# Altium PCB Freezer_Power.PcbDoc (part 2 of 3) (continued)
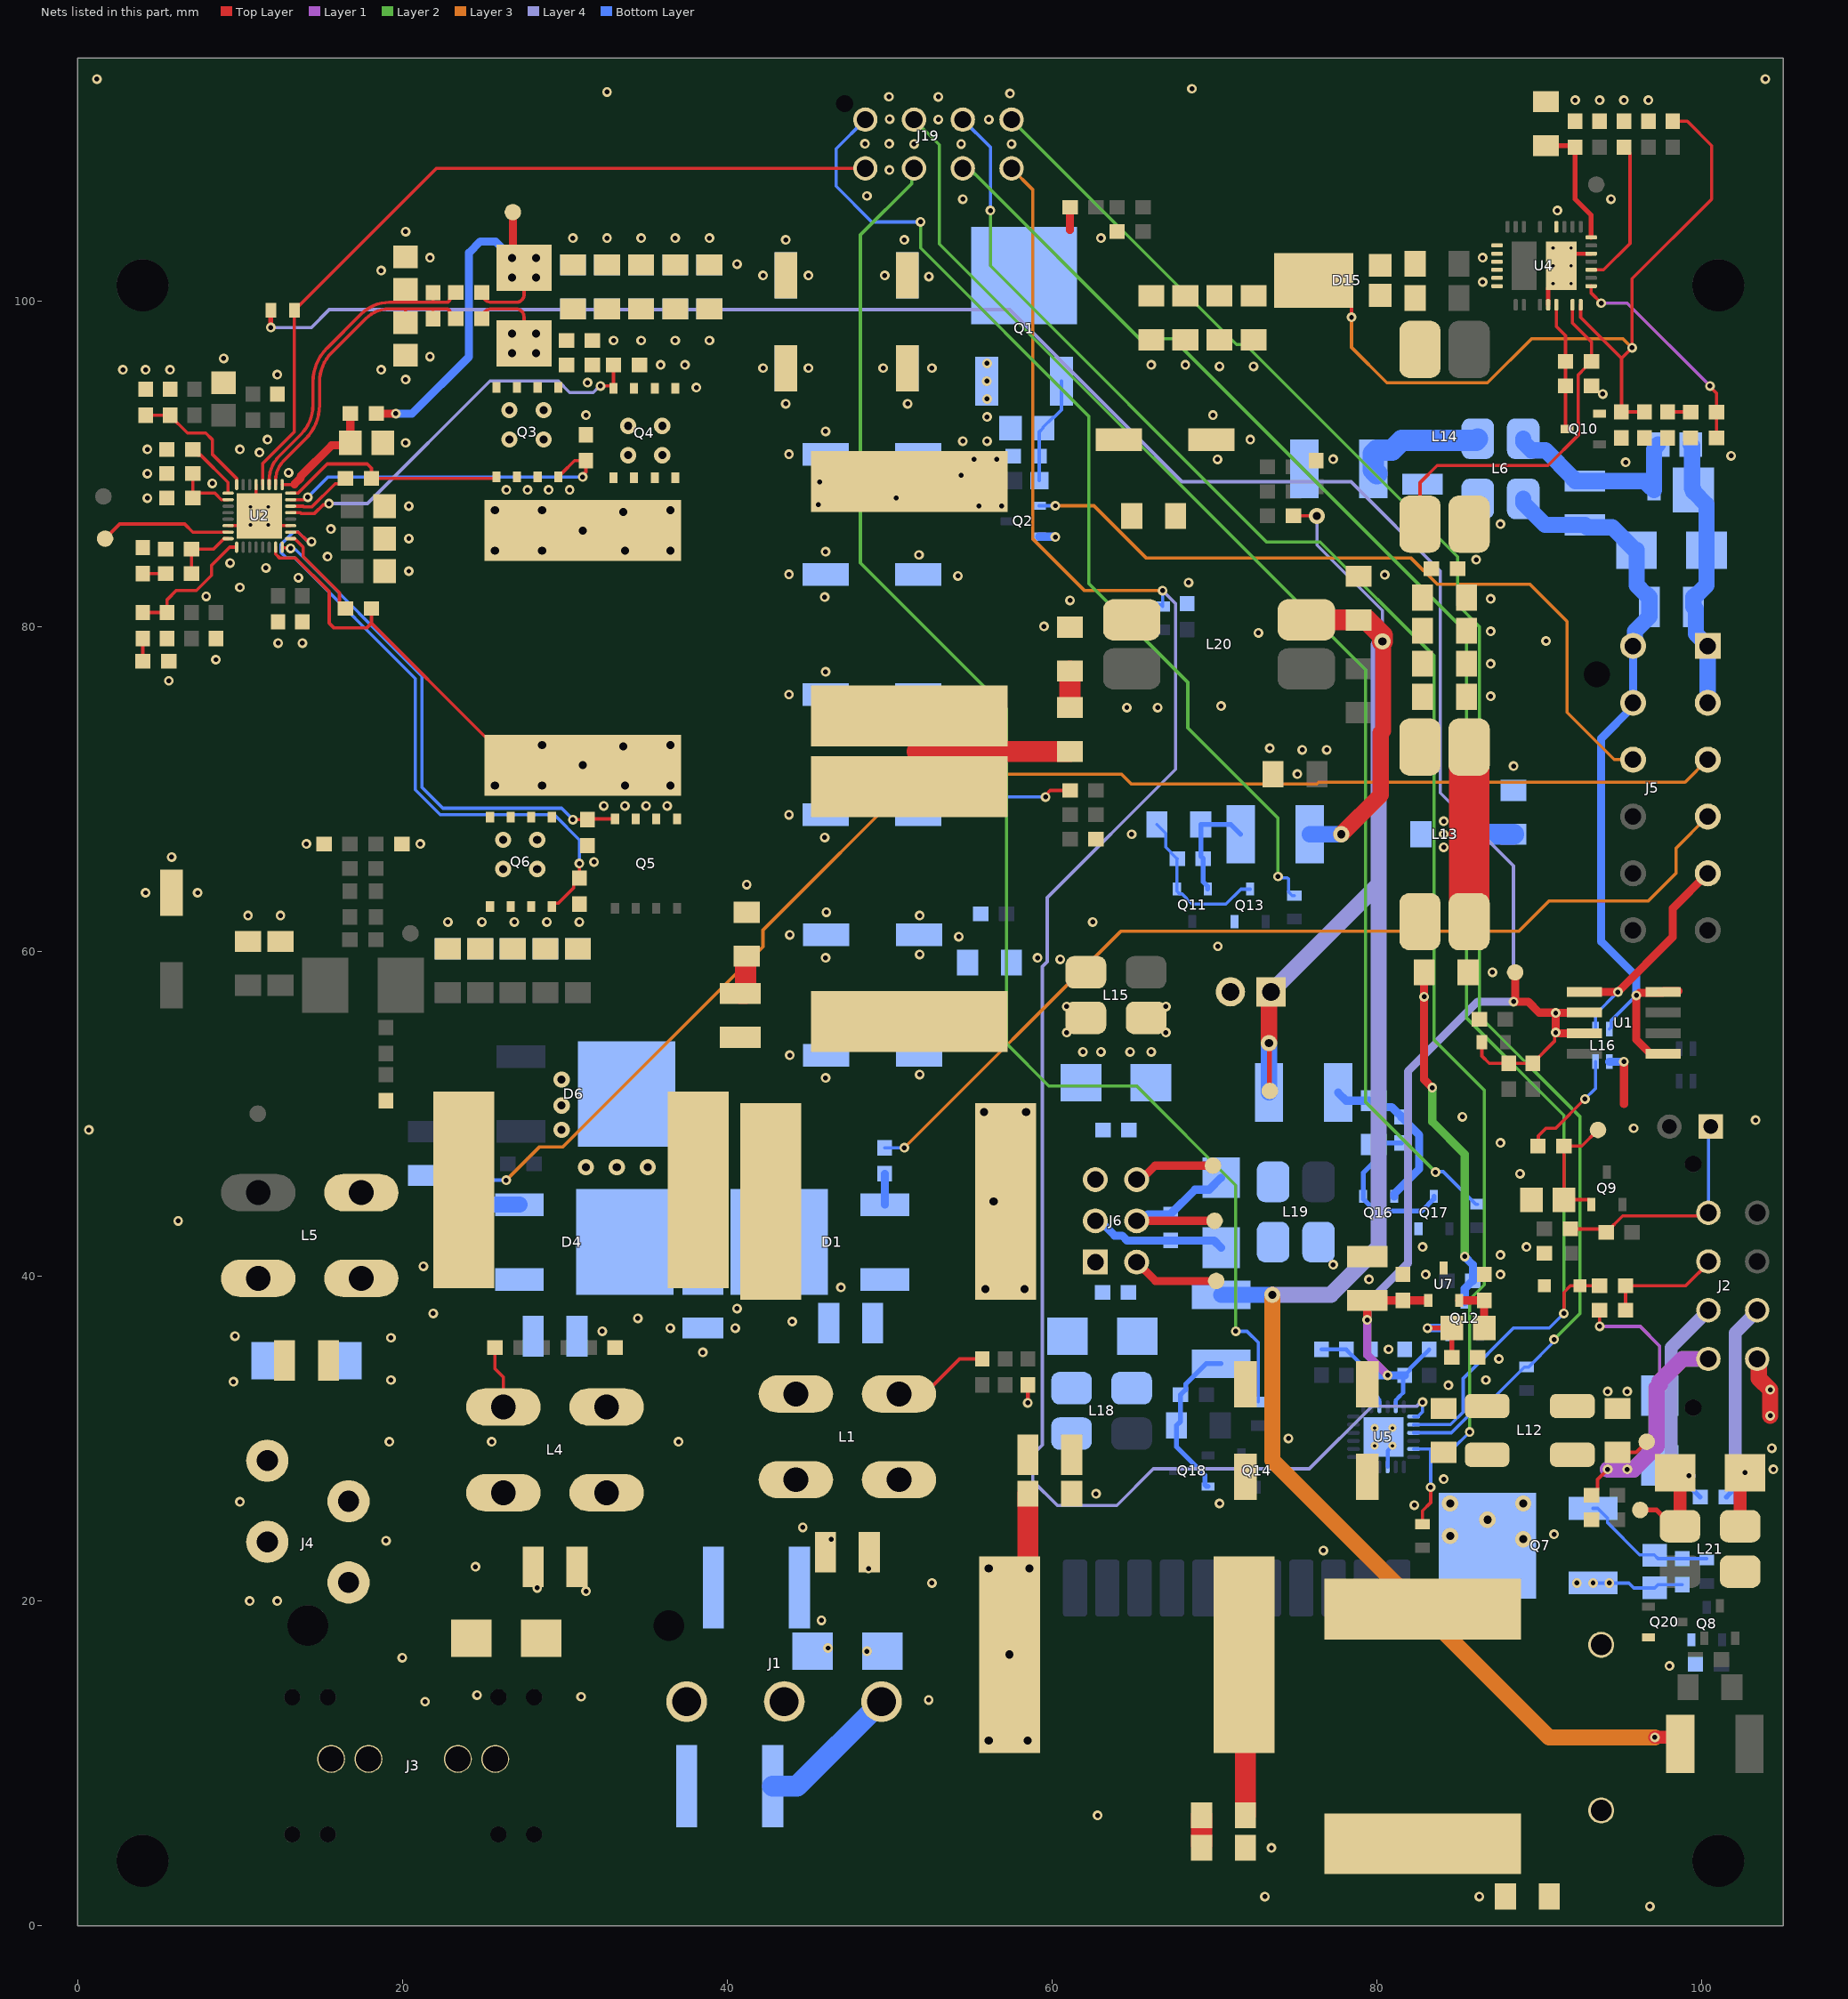
[diagram p6: the nets of this part, all layers, seen from the top]
## Part data (continued)
U5: library part NS00947, "IC XPNDR 400KHZ I2C 24TQFN", Supplier Part Number 1=PI4IOE5V6416ZDEXDICT-ND, ComponentLink1Description=Datasheet, ComponentLink1URL=H:\Doc\Diodes\PI4IOE5V6416.pdf, Part Number=NS00947, Supplier 1=Digi-Key, Type=IC
U7: library part NS00929, "IC REG LINEAR 3.3V 100MA SOT23", Supplier Part Number 1=TS3480CX33RFGCT-ND, ComponentLink1Description=Datasheet, ComponentLink1URL=H:\Doc\TaiwanSemi\TS3480.pdf, Part Number=NS00929, Supplier 1=Digi-Key, Type=IC

## Free pads (board coordinates)
  round 3.2 hole 3.2: 1(4,4) 1(4,101) 1(101,4) 1(101,101)

## Via types
v1: diameter 0.6, hole 0.3, Top Layer to Bottom Layer, tented both sides, 355 vias
v2: diameter 1, hole 0.5, Top Layer to Bottom Layer, tented both sides, 70 vias
v3: diameter 0.5, hole 0.2, Top Layer to Bottom Layer, tented both sides, 20 vias
v4: diameter 0.6, hole 0.3, Top Layer to Bottom Layer, 19 vias
v5: diameter 1, hole 0.5, Top Layer to Bottom Layer, 5 vias

## Nets (pads, with @x,y where several pads share a name; then routed paths per layer and width w, separated by ;. In a path a pad name is that pad's centre, name@x,y a point inside that pad or via, vN(x,y) a via of type N, cw(c..) or ccw(c..) an arc to the next point about the centre after c; other vN are vias at no path point)
12V_FAN+: C132.2 D27.2 J2.3 L21.2 TP10.1 | length 19.5
  Top Layer w0.3: TP10.1@96.2,25.6 97.209,25.6 98.209,24.6 L21.2@98.648,24.6
  Top Layer w0.8: D27.2@98.35,27.9 98.648,27.602 L21.2@98.648,24.6
  Layer 4 w0.8: v4(99.2,27.7) 98.1,28.8 98.1,35.6 J2.3@100.4,37.9
  Bottom Layer w0.3: v4(99.2,27.7) 99.257,27.643 99.257,27.018 99.875,26.4 C132.2@99.9,26.4
12V_FAN-: C132.1 D27.1 J2.4 L21.3 | length 16.2
  Top Layer w0.8: L21.3@102.352,24.6 102.352,27.602 v4(102.65,27.9)
  Layer 4 w0.8: v4(102.65,27.9) 102.05,28.5 102.05,36.492 103.4,37.842 J2.4@103.4,37.9
  Bottom Layer w0.3: C132.1@101.5,26.4 101.525,26.4 102.593,27.468 102.593,27.843 v4(102.65,27.9)
+3.3V: C113.1 C114.1 C120.1 C121.2 R8.1 R10.1 R11.1 R51.1 R78.1 R79.1 R97.1 TP4.1 U1.2 U1.3 U5.21 U5.23 U7.1 | length 170.6
  Top Layer w0.2: R8.1@86.45,54.4 86.45,53.55 86.9,53.1 R11.1@88.1,53.1 R10.1@89.6,53.1 89.6,53.125 90.923,54.448 90.923,54.923 v1(91,55)
  Top Layer w0.3: v4(11.9,98.4) 11.903,98.403 11.903,99.453 R51.1@11.906,99.456
  Top Layer w0.5: C121.2@79.393,38.507 C121.2@79.4,38.5 ; v1(79.4,37.3) C121.2@79.4,38.5 ; U7.1@83.15,38.5 C121.2@79.4,38.5 ; TP4.1@88.5,58.7 88.5,57.027 88.4,56.927 v1(88.4,56.9) 89.3,56.9 89.981,56.219 90.981,56.219 v1(91,56.2) ; U1.3@92.762,54.952 91.075,54.952 91.027,55 v1(91,55) v1(91,56.2) ; U1.2@92.762,56.222 92.74,56.2 v1(91,56.2)
  Layer 1 w0.5: v1(79.4,37.3) 79.4,35.146 v1(80.658,33.888)
  Layer 4 w0.2: v4(11.9,98.4) 14.4,98.4 15.5,99.5 57.4,99.5 68,88.9 78.4,88.9 83.9,83.4 83.9,69.754 88.4,65.254 v1(88.4,56.9)
  Layer 4 w0.5: v1(79.4,37.3) 79.4,38.3 81.9,40.8 81.9,52.6 86.2,56.9 v1(88.4,56.9)
  Bottom Layer w0.25: R97.1@76.588,35.492 76.592,35.488 R79.1@78.108,35.488 78.108,35.463 78.433,35.138 78.458,35.138 79.283,34.313 79.283,34.213 C114.1@79.608,33.888 79.608,32.969 80.065,32.512 80.065,32.464 80.15,32.379 U5.21@80.15,31.95 ; U5.23@81.15,31.95 81.15,32.356 81.287,32.492 81.287,32.498 81.608,32.819 81.608,33.788 C113.1@81.708,33.888 82.033,34.213 82.033,34.313 82.858,35.138 82.883,35.138 83.208,35.463 R78.1@83.208,35.488
  Bottom Layer w0.5: C114.1@79.608,33.888 v1(80.658,33.888) C113.1@81.708,33.888
+10-25V: C3.1 C4.1 C5.1 C6.1 C9.2 C15.1 C23.1 C26.2 C83.2 C98.2 F2.2 L3.2 L7.1 L10.1 L13.3 Q12.3 R1.2 R12.2 R14.1 | length 42.2
  Top Layer w0.2: v1(59.6,69.5) 59.6,69.608 59.766,69.774 59.766,69.783 59.883,69.9 R1.2@61.1,69.9
  Top Layer w0.5: C98.2@82.9,58.696 82.9,52.1 v1(83.4,51.6)
  Top Layer w1.3: v2(57.375,16.7) L10.1@58.5,15.575 ; L10.1@58.5,17.825 C83.2@58.5,26.6
  Layer 2 w0.5: v1(83.4,51.6) 83.4,49.5 85.4,47.5 v1(85.4,41.2)
  Bottom Layer w0.2: C3.1@51.75,68.4 52.475,68.4 53.575,69.5 v1(59.6,69.5)
  Bottom Layer w0.5: Q12.3@85.4,38.4 85.4,39.225 85.875,39.7 R14.1@85.9,39.7 85.9,40.7 v1(85.4,41.2)
  other v1: 51.85,52.4 82.9,57.2 51.85,59.8 54.25,60.9 51.85,62.2 54.2,83.1 51.8,84.4
  other v2: 56.1,11.4 58.5,11.4 56.1,22 58.6,22 55.9,39.2 58.3,39.2 56.4,44.6 55.8,50.1 58.4,50.1
+10-25V_C_F: C88.2 F1.1 Q7.3 R39.2 | length 5.7
  Bottom Layer w0.2: v1(93.3,21.1) 95.5,21.1 95.8,20.8 C88.2@97.1,20.8 97.3,21 R39.2@98.8,21
  other v1: 92.3,21.1 94.3,21.1
+10-25V_OR: C7.2 D1.2 D4.2 D6.2 L2.1 | length 5.1
  Top Layer w0.2: L2.1@22,49.671 22,48.9 23.775,47.125 L2.1@23.775,45.3
  other v2: 31.3,46.7 33.2,46.7 35.1,46.7 29.8,49 29.8,50.5 29.8,52.1
+10-25VOUT: C20.2 D8.2 D20.2 J5.1 J5.2 R5.2 | length 17.1
  Bottom Layer w1: R5.2@99.3,91.2 99.39,91.11 99.39,88.49 D20.2@99.48,88.4 99.48,88.29 100.279,87.491 D8.2@100.279,84.7 100.279,82.538 99.693,81.952 99.621,81.952 99.471,81.802 C20.2@99.471,81.202 99.621,81.052 99.621,79.533 J5.1@100.358,78.795 J5.2@100.358,75.295
+12V: C128.2 F3.2 F4.2 F5.2 F6.2 J18.1 L20.2 R61.2 TP3.1 | length 140.8
  Top Layer w0.2: R61.2@74.85,86.8 v2(76.3,86.8)
  Top Layer w0.3: v2(73.35,54.35) 73.375,54.325 73.375,51.425 TP3.1@73.4,51.4
  Top Layer w0.8: v1(97.1,11.6) 98.275,11.6 F6.2@98.675,11.2 F6.2@98.675,11.025
  Top Layer w1: v2(73.35,54.35) 73.35,57.375 J18.1@73.475,57.5 ; v2(77.8,67.2) 80.225,69.625 80.225,73.425 80.375,73.575 80.375,79.023 v2(80.332,79.066)
  Top Layer w1.3: L20.2@75.65,80.4 79.365,80.4 80.332,79.433 v2(80.332,79.066)
  Layer 3 w1: v2(73.55,38.85) 73.55,28.65 90.6,11.6 v1(97.1,11.6)
  Layer 4 w0.2: v2(76.3,86.8) 76.3,85.002 80.332,80.97 v2(80.332,79.066)
  Layer 4 w1: J18.1@73.475,57.5 80.1,64.125 ; v2(73.55,38.85) 77.15,38.85 80.1,41.8 80.1,64.125 ; v2(80.332,79.066) 80.1,78.835 80.1,64.125
  Bottom Layer w1: F5.2@70.4,38.85 v2(73.55,38.85) ; F4.2@73.35,51.3 v2(73.35,54.35) ; F3.2@75.85,67.2 v2(77.8,67.2)
+12V_FAN1: C89.2 D18.2 J6.5 L19.2 TP14.1 | length 11.1
  Top Layer w0.5: J6.5@65.2,43.4 TP14.1@70,43.4
  Bottom Layer w0.5: J6.5@65.2,43.4 65.479,43.4 65.879,43.8 C89.2@67.3,43.8 67.3,43.825 68.793,45.318 69.668,45.318 D18.2@70.4,46.05
+12V_FAN2: C124.2 D19.2 J6.4 L18.2 TP15.1 | length 5.2
  Top Layer w0.5: J6.4@65.2,40.86 66.36,39.7 TP15.1@69.9,39.7
+12V_HTR: C122.2 D17.2 J6.6 L15.2 TP5.1 | length 5.1
  Top Layer w0.5: J6.6@65.2,45.94 65.479,45.94 66.339,46.8 TP5.1@69.9,46.8
  other v1: 64.8,53.8 66.1,53.8 67,55 67,56.6
+12V_U: C13.2 C92.1 C94.2 C95.2 C96.2 C97.2 C105.2 C106.2 D15.2 L20.3 R67.2 U4.28 | length 52.5
  Top Layer w0.2: D15.2@76.1,101.3 76.85,101.3 78.43,99.72 v1(78.43,99.03) ; U4.28@92.535,99.8 92.535,99.016 95.05,96.501 ; C106.2@96.473,93.2 C105.2@95.05,93.2 95.05,96.501 ; R67.2@98.2,111.1 99.1,111.1 100.6,109.6 100.6,106.3 95.7,101.4 v1(95.7,97.151) 95.05,96.501
  Layer 3 w0.2: v1(78.43,99.03) 78.43,97.17 80.6,95 86.8,95 89.5,97.7 95.151,97.7 v1(95.7,97.151)
AC1_N: C39.2 C40.2 Q3.5 Q3.6 Q3.7 Q3.8 R23.2 R26.2 | length 4.9
  Top Layer w0.2: R26.2@24.895,98.945 cw(c25.495,98.945) 25.495,99.545 25.582,99.545 27,99.545 cw(c27,99.05) 27.495,99.05 R23.2@27.495,97.42
  other v2: 26.595,91.51 28.695,91.51 26.595,93.31 28.695,93.31 26.763,96.819 28.227,96.819 26.763,98.021 28.227,98.021
AC1_P: C24.1 C25.1 C28.2 C29.2 C30.2 C31.2 C32.2 C33.2 C34.2 C35.2 C36.2 C37.2 C129.1 C130.1 Q1.2 R18.2 R23.1 R24.2 R25.2 TP8.1 | length 26
  Top Layer w0.2: R25.2@24.895,100.545 ccw(c25.495,100.545) 25.495,99.945 25.748,99.945 27,99.945 ccw(c27,100.44) 27.495,100.44 R23.1@27.495,102.07
  Top Layer w0.5: R24.2@18.4,93.1 v1(19.6,93.1) ; v2(26.763,102.671) 26.8,102.708 TP8.1@26.8,105.5 ; 61.1,104.4 R18.2@61.1,105.8
  Bottom Layer w0.5: v1(19.6,93.1) 20.6,93.1 24.1,96.6 24.1,103 24.8,103.7 25.734,103.7 v2(26.763,102.671)
  other v1: 52.414,101.538 42.2,101.6 45,101.6 49.693,101.6 40.6,102.3 43.6,103.8 50.9,103.8 30.5,103.9 32.6,103.9 34.7,103.9 36.8,103.9 38.9,103.9
  other v2: 26.763,101.469 28.227,101.469 28.227,102.671
AC_N: C60.1 C65.2 R26.1 U2.2 | length 19.7
  Top Layer w0.2: U2.2@12.2,88.725 12.2,88.993 cw(c13.907,88.993) 12.7,90.2 14.041,91.541 ccw(c11.967,93.615) 14.9,93.615 14.9,95.048 cw(c17.44,95.048) 15.644,96.844 17.74,98.94 cw(c19.2,97.481) 19.2,99.545 20.2,99.545 ; C65.2@20.2,98.7 20.2,99.545 ; C60.1@21.895,98.945 21.895,99.54 21.9,99.545 ; R26.1@23.295,98.945 cw(c23.295,99.005) 23.252,98.963 22.967,99.248 cw(c23.08,99.361) 22.92,99.361 ccw(c22.76,99.361) 22.873,99.475 ccw(c22.704,99.305) 22.704,99.545 21.9,99.545 ; 20.2,99.545 21.9,99.545
AC_P: C60.2 C64.2 R25.1 U2.3 | length 20.3
  Top Layer w0.2: U2.3@11.8,88.725 11.8,88.996 cw(c13.899,88.996) 12.415,90.481 13.756,91.822 ccw(c11.96,93.618) 14.5,93.618 14.5,95.051 cw(c17.432,95.051) 15.359,97.125 17.459,99.224 cw(c19.198,97.485) 19.198,99.945 20.2,99.945 ; C64.2@20.195,100.745 20.195,99.95 20.2,99.945 ; C60.2@21.895,100.545 21.895,99.95 21.9,99.945 ; R25.1@22.967,100.242 ccw(c23.08,100.129) 22.92,100.129 cw(c22.76,100.129) 22.873,100.015 cw(c22.704,100.185) 22.704,99.945 21.9,99.945 ; R25.1@22.967,100.242 23.252,100.527 cw(c23.295,100.485) R25.1@23.295,100.545 ; 20.2,99.945 21.9,99.945
ACDC+: C1.2 C16.2 D2.2 J1.1 L1.2 | length 8.9
  Bottom Layer w1.3: C16.2@42.8,8.6 44.3,8.6 J1.1@49.5,13.8
  other v1: 52.4,13.9 48.6,16.9 52.6,21.1 48.7,22
ACDC_F: C2.2 D1.1 D1.3 L1.3 R4.2 R82.1 | length 7.9
  Top Layer w0.2: L1.3@50.575,32.74 52.14,32.74 54.3,34.9 R82.1@55.7,34.9
  Bottom Layer w0.5: D1.1@49.7,44.4 R4.2@49.7,46.3
ACDC_VS: J5.4 R4.1 | length 60
  Layer 3 w0.2: v1(50.9,47.9) 64.223,61.223 88.711,61.223 90.588,63.1 96.7,63.1 98.4,64.8 98.4,66.337 J5.4@100.358,68.295
  Bottom Layer w0.2: R4.1@49.7,47.9 v1(50.9,47.9)
BATT+: C14.2 D7.2 J4.2 L5.3
  other v1: 10.6,20 12.3,20 10,26.1 9.6,33.5 9.7,36.3
BATT-: C14.1 D7.1 J4.1 L5.4
  other v1: 19,23.7 19.2,29.8 19.3,33.6 19.3,36.2
C: J2.7 P1.1 R57.1 R59.2 | length 14.4
  Top Layer w0.2: R57.1@91.9,42.9 93.9,42.9 R59.2@94.1,42.7 94.125,42.7 95.125,43.7 100.2,43.7 J2.7@100.4,43.9
  Bottom Layer w0.2: J2.7@100.4,43.9 100.4,49.06 P1.1@100.54,49.2
CHASSIS: C16.1 C17.1 J1.3
CHRG_OK: J19.2 R51.2 U2.4 | length 50.3
  Top Layer w0.2: U2.4@11.4,88.725 11.4,90.031 13.356,91.987 R51.2@13.356,99.456 22.1,108.2 J19.2@48.5,108.2
CMP_SPD_EXT: J5.5 L16.3 U1.1 | length 14.5
  Top Layer w0.5: U1.1@92.762,57.492 v1(94.827,57.492) ; v1@94.846,57.511 98.2,60.866 98.2,62.637 J5.5@100.358,64.795
  Bottom Layer w0.2: L16.3@93.45,55.2 93.45,56.116 v1(94.827,57.492)
CMPOUT: TP13.1 U2.15 | length 8.2
  Top Layer w0.2: TP13.1@1.7,85.4 2.6,86.3 6.6,86.3 7.1,85.8 U2.15@9.275,85.8
CMPRSR+: C86.2 D10.2 J2.1 L12.3 R43.2 R49.1 TP2.1 | length 22.5
  Top Layer w0.2: R43.2@93.2,26.5 93.225,26.5 93.575,26.85 93.575,27.475 v1(94.2,28.1) ; v1(93.7,36.9) R49.1@93.7,37.9 ; C86.2@94.8,29.15 95.95,29.15 TP2.1@96.6,29.8
  Layer 1 w0.2: v1(93.7,36.9) 96.2,36.9 97.4,35.7 97.4,33.5
  Layer 1 w1: v1(94.2,28.1) v1(95.4,28.1) 95.8,28.1 97.2,29.5 97.2,33.1 97.4,33.3 ; 97.4,33.5 98.8,34.9 J2.1@100.4,34.9
  other v1: 104.4,28.1 104.3,29.4
CMPRSR_D_I: D14.2 J19.6 R48.2 U5.2 | length 104.2
  Top Layer w0.2: v1(91.5,37.7) 91.5,39 91.9,39.4 R48.2@93.7,39.4
  Layer 2 w0.2: J19.6@54.5,108.2 54.852,108.2 55.194,107.858 55.242,107.858 65.4,97.7 67.449,97.7 85.5,79.649 85.5,55.9 91.5,49.9 v1(91.5,37.7)
  Bottom Layer w0.2: U5.2@82.25,30.85 82.26,30.86 84.528,30.86 85.3,31.631 85.3,33.7 88.4,36.8 90.6,36.8 v1(91.5,37.7)
CMPRSR_EN: J19.5 R41.1 U5.5 | length 105.2
  Top Layer w0.2: R41.1@82.8,24.725 82.8,25.551 83.3,26.051 v4(83.3,27)
  Layer 2 w0.2: v1(56.2,105.6) 56.2,102.2 73.2,85.2 76.5,85.2 83.5,78.2 83.5,54.544 86.6,51.444 86.6,39.454 85.7,38.554 v4(85.7,30.4)
  Bottom Layer w0.2: J19.5@54.5,111.2 56.2,109.5 v1(56.2,105.6) ; U5.5@82.25,29.35 83.45,29.35 ; v4(83.3,27) 83.3,29.2 83.45,29.35 ; v4(85.7,30.4) 84.65,29.35 83.45,29.35
CMPRSR_FAN: J19.7 R9.1 U5.3 | length 101.7
  Layer 2 w0.2: J19.7@57.5,111.2 71.35,97.35 71.899,97.35 84.954,84.295 84.954,81.326 86.3,79.98 86.3,56 92.5,49.8 92.5,37.7 v1(90.9,36.1)
  Bottom Layer w0.2: U5.3@82.25,30.35 84.584,30.35 86.497,32.262 86.937,32.262 89.075,34.4 R9.1@89.2,34.4 89.325,34.4 90.823,35.898 90.823,36.023 v1(90.9,36.1)
CMPRSR_SPD: L16.4 R53.1 | length 7
  Top Layer w0.2: R53.1@89.9,48 89.933,48.033 89.933,48.633 90.4,49.1 91,49.1 v1(92.8,50.9)
  Bottom Layer w0.2: v1(92.8,50.9) 93.45,51.55 L16.4@93.45,53.2
CMPRSR_SW: C81.1 C82.1 C85.2 L12.2 Q7.2
  other v5: 89,23.8 84.5,24 86.8,25 84.5,26 89,26
D_I: J2.5 R48.1 R49.2 | length 7.3
  Top Layer w0.2: R49.2@95.3,37.9 R48.1@95.3,39.4 99,39.4 J2.5@100.5,40.9
DCDC+: C10.2 D5.2 J3.1 L4.1
  other v1: 21.4,13.8 20,16.5 28.3,20.8 24.5,22.1
DCDC_F: C11.2 D4.1 D4.3 L4.4 R7.2 R92.1 | length 6.5
  Top Layer w0.2: R92.1@25.7,35.6 25.7,34.3 26.225,33.775 L4.4@26.225,31.94
  Bottom Layer w1: R7.2@24.6,44.4 D4.3@27.2,44.4
DCDC_VS: J5.3 R7.1 | length 87.7
  Top Layer w0.2: v1(26.395,45.905) v1@26.495,45.905
  Layer 3 w0.2: v1(26.395,45.905) 28.447,47.957 29.892,47.957 42.2,60.266 42.2,61.3 51.8,70.9 64.274,70.9 64.874,70.3 76.3,70.3 76.4,70.4 98.963,70.4 J5.3@100.358,71.795
  Bottom Layer w0.2: R7.1@24.6,46 24.695,45.905 v1(26.395,45.905)
EN: J19.8 R6.1 R16.1 U5.1 | length 122.4
  Layer 3 w0.2: J19.8@57.5,108.2 58.8,106.9 58.8,85.4 62,82.2 v1(66.8,82.2)
  Layer 4 w0.2: v1(66.8,82.2) 67.6,81.4 67.6,71.2 59.7,63.3 59.7,59.351 59.4,59.051 59.4,29.6 58.8,29 58.8,27.4 60.323,25.877 63.977,25.877 66.232,28.132 75.832,28.132 79.675,31.975 82.426,31.975 82.692,32.24 v4(82.8,32.24)
  Bottom Layer w0.2: R16.1@65.4,81.325 66.7,81.325 R6.1@66.8,81.225 v1(66.8,82.2) ; U5.1@82.25,31.35 82.511,31.35 82.8,31.639 v4(82.8,32.24)
EN12: Q10.3 R64.1 R66.1 U4.25 | length 7.9
  Top Layer w0.2: U4.25@91.035,99.8 91.035,98.465 91.6,97.9 R64.1@91.6,96.3 R66.1@91.6,94.8 91.6,92.25 Q10.3@91.7,92.15
EXT_PWR_ON: J5.9 Q2.1 | length 46.3
  Layer 3 w0.2: v1(60.2,87.425) 62.575,87.425 65.8,84.2 82.103,84.2 83.703,82.6 89.4,82.6 91.7,80.3 91.7,74.7 94.605,71.795 J5.9@95.758,71.795
  Bottom Layer w0.2: Q2.1@59.209,87.425 v1(60.2,87.425)
FAN_CTL1: J19.3 R47.1 | length 81.5
  Layer 2 w0.2: J19.3@51.5,111.2 53.054,109.646 53.054,103.546 79.3,77.3 79.3,50.7 v1(83.6,46.4)
  Bottom Layer w0.2: v1(83.6,46.4) 83.626,46.426 84.074,46.426 86.075,44.425 R47.1@86.2,44.425
FAN_CTL2: J19.4 R52.1 | length 91
  Layer 2 w0.2: J19.4@51.5,108.2 51.367,108.067 51.367,107.267 48.2,104.1 48.2,83.9 57.2,74.9 57.2,54.3 59.8,51.7 65.2,51.7 71.3,45.6 v4(71.3,36.6)
  Bottom Layer w0.2: v4(71.3,36.6) 72,36.6 72.7,35.9 R52.1@72.7,32.25
GND: C2.1 C3.2 C4.2 C5.2 C6.2 C7.1 C9.1 C11.1 C12.1 C13.1 C15.2 C18.1 C23.2 C24.2 C25.2 C26.1 C28.1 C29.1 C30.1 C31.1 C32.1 C33.1 C34.1 C35.1 C36.1 C37.1 C39.1 C40.1 C41.2 C42.2 C43.1 C44.1 C45.1 C46.1 C47.1 C48.1 C49.1 C50.1 C51.1 C52.1 C53.1 C54.1 C55.1 C56.1 C57.1 C58.2 C59.1 C61.2 C63.1 C64.1 C65.1 C66.2 C67.1 C68.1 C71.2 C72.1 C73.2 C75.1 C76.2 C77.1 C78.1 C79.1 C80.1 C81.2 C82.2 C83.1 C84.1 C85.1 C90.1 C92.2 C94.1 C95.1 C96.1 C97.1 C98.1 C100.1 C101.1 C102.1 C103.1 C104.1 C105.1 C106.1 C107.1 C108.1 C109.1 C110.1 C111.2 C113.2 C114.2 C118.2 C119.2 C120.2 C121.1 C128.1 C129.2 C130.2 D3.2 D9.2 D11.2 D12.2 D13.2 D14.1 D24.2 D25.2 D26.2 J18.2 L1.4 L4.3 L5.1 L6.4 L12.1 L14.4 L15.4 L16.1 L18.4 L19.4 L21.4 Q2.2 Q4.1 Q4.2 Q4.3 Q6.1 Q6.2 Q6.3 Q8.2 Q10.2 Q13.2 Q14.2 Q17.2 Q20.2 R3.1 R13.2 R21.1 R30.1 R32.2 R33.1 R36.1 R40.1 R44.1 R60.1 R65.1 R66.2 R68.1 R70.1 R90.1 U2.5 U2.14 U2.27 U2.33 U4.4 U4.12 U4.13 U4.14 U4.15 U4.16 U4.17 U4.24 U4.34 U4.37 U5.9 U5.25 U7.3 | length 15.8
  Top Layer w0.2: U2.14@9.275,86.2 10.6,86.2 v3(10.65,86.25) U2.33@11.2,86.8 v3(11.75,86.25) 11.8,86.2 U2.27@13.125,86.2 ; v3(10.65,87.35) 11,87.7 U2.5@11,88.725
  Top Layer w0.25: v1(58.5,32.2) D24.2@58.5,33.3 ; U4.24@90.535,99.8 90.535,100.825 90.81,101.1 v3(90.835,101.1) ; v3(91.935,103.3) 91.935,103.175 92.16,102.95 U4.34@93.185,102.95
  Top Layer w0.5: 95.2,50.6 v1(95.2,53.2)
  Bottom Layer w0.25: U5.9@80.65,28.25 80.65,29.25 v3(80.95,29.55)
  Bottom Layer w0.5: Q2.2@59.209,85.525 60.148,85.525 60.173,85.5 v1(60.2,85.5) ; L16.1@94.3,53.2 v1(95.2,53.2)
  other v1: 73.1,1.8 86.3,1.8 73.5,4.8 62.8,6.8 98,16 76.7,23.1 90.9,24.1 82.3,25.9 70.3,26 62.7,26.6 84.1,27.5 25.5,29.8 37,29.8 74.55,30 84.394,33.277 86.7,33.6 87.5,34.9 38.5,35.3 80.708,35.488 32.3,36.6 36.5,36.8 40.5,36.8 44,37.2 34.5,37.4 21.9,37.7 40.6,38 47,39.3 79.507,39.793 83,40.1 87.6,40.1 21.3,40.6 77.3,40.7 87.6,41.3 82.8,41.8 89.2,41.8 6.2,43.4 88.8,46.3 87.6,48.2 0.7,49 95.8,49.1 103.3,49.6 85.25,49.8 46.05,52.2 43.85,53.6 87.1,58.7 60.5,59.5 46.05,59.6 59.1,59.6 70.2,60.3 43.85,61 22.8,61.8 24.9,61.8 26.9,61.8 28.9,61.8 30.9,61.8 62.5,61.8 10.5,62.2 12.5,62.2 46.1,62.4 4.2,63.6 7.4,63.6 41.2,64.1 31.8,65.5 5.8,65.8 14.1,66.6 21.1,66.6 46,67 64.9,67.2 43.8,68.4 75.1,70.9 88.4,71.4 75.4,72.4 76.9,72.4 73.4,72.5 64.6,75 66.5,75 70.4,75.1 87,75.7 43.8,75.8 5.625,76.65 46.05,77.2 87,77.7 8.525,77.95 12.35,78.975 13.85,78.975 90.4,79.1 72.7,79.6 87,79.7 59.5,80 61.1,81.6 87,81.7 46,81.8 7.925,81.85 10,82.4 68.4,82.7 13.6,83 80.474,83.174 43.8,83.2 20.4,83.4 11.6,83.6 9.4,83.9 86.1,84.1 15.4,84.3 46.05,84.6 20.4,85.4 15.6,86 87.6,86.3 20.4,87.4 4.3,87.9 8.3,88.8 4.3,89.4 12.996,89.455 95.3,90.1 70.174,90.274 77.3,90.3 101.8,90.5 43.8,90.6 11.2,90.7 4.3,90.9 10,90.9 20.2,91.3 11.7,91.5 72.2,91.5 46.05,92 31.3,93 69.9,93 43.6,93.7 51.1,93.7 93.9,94.3 38.1,94.7 31.4,95 20.2,95.2 12.3,95.5 2.8,95.8 4.2,95.8 5.7,95.8 18.7,95.8 42.2,95.9 45,95.9 49.6,95.9 52.6,95.9 70.3,96 72.4,96 35.9,96.1 37.4,96.1 66.1,96.1 68.2,96.1 9,96.5 21.7,96.6 33,97.6 34.7,97.6 36.8,97.6 38.9,97.6 86.5,101.2 18.7,101.9 21.7,102.7 86.5,102.7 63,103.9 20.2,104.3 91.1,105.6 54.5,106.3 94.4,106.3 48.6,106.5 49.981,108.099 48.478,109.708 49.965,109.708 51.5,109.7 54.4,109.7 57.5,109.7 53,111.2 56.1,111.2 49.996,111.226 92.2,112.4 93.7,112.4 95.2,112.4 96.7,112.4 49.95,112.605 53,112.6 57.4,112.8 32.6,112.9 68.6,113.1
  other v3: 79.85,29.55 79.85,30.65 80.95,30.65 11.75,87.35 91.935,101.1 90.835,102.2 91.935,102.2 90.835,103.3
  other v4: 96.8,1.2 1.2,113.7 103.9,113.7
GND_AC: C1.1 C17.2 D2.1 J1.2 L1.1
  other v1: 46.2,17.1 45.8,18.8 46.4,23.8 44.65,24.529
GND_CMP: C86.1 D10.1 J2.2 L12.4 | length 3.8
  Top Layer w1: J2.2@103.5,34.9 103.496,34.896 103.496,34.451 103.5,34.446 103.5,33.7 v1(104.2,33) v1(104.2,31.401)
  other v1: 94.2,32.9 95.4,32.9
GND_DC: C10.1 D5.1 J3.2 L4.2
  other v1: 31,14.1 24.6,14.2 31.3,20.6
GND_EXT: C19.1 C20.1 D8.1 J5.7 J5.8 L6.3 L16.2 U1.5 U1.8 | length 48.5
  Top Layer w0.5: U1.5@97.612,53.682 97.562,53.732 96.787,53.732 95.962,54.558 v1(95.962,57.28) 95.989,57.28 96.151,57.442 97.562,57.442 97.662,57.542 U1.8@98.542,57.542
  Bottom Layer w0.2: L16.2@94.3,55.2 94.4,55.3 94.4,55.718 v1(95.962,57.28)
  Bottom Layer w0.5: J5.7@95.758,78.795 J5.8@95.758,75.295 95.758,75.058 93.8,73.1 93.8,60.6 95.962,58.438 v1(95.962,57.28)
  Bottom Layer w1: L6.3@89,87.848 89,87.598 90.348,86.25 C19.1@92.8,86.25 92.95,86.1 94.479,86.1 95.879,84.7 D8.1@95.979,84.7 95.979,82.538 96.565,81.952 96.621,81.952 96.771,81.802 C20.1@96.771,81.202 96.771,80.602 95.873,79.704 95.873,78.91 J5.7@95.758,78.795
GND_FAN1: C89.1 D18.1 J6.2 L19.3 | length 8.4
  Bottom Layer w0.5: J6.2@62.66,43.4 62.939,43.4 63.843,42.496 64.304,42.496 64.615,42.185 69.965,42.185 D18.1@70.4,41.75
GND_FAN2: C124.1 D19.1 J6.1 L18.3
GND_HTR: C122.1 D17.1 J6.3 L15.3
  other v1: 61.9,53.8 63,53.8 60.9,55 60.9,56.6
HTR_CTL: J19.1 R45.1 | length 62.3
  Layer 2 w0.2: v1(51.9,104.9) 51.9,103.3 62.25,92.95 62.25,82.65 68.35,76.55 68.35,73.75 73.9,68.2 v4(73.9,64.6)
  Bottom Layer w0.2: J19.1@48.5,111.2 46.7,109.4 46.7,107.1 48.9,104.9 v1(51.9,104.9) ; v4(73.9,64.6) 73.977,64.523 74.477,64.523 74.55,64.45 74.55,63.65 74.775,63.425 R45.1@74.9,63.425
INTVCC_12: C107.2 C108.2 U4.36 | length 7.8
  Top Layer w0.3: C108.2@90.4,109.6 92.1,109.6 C107.2@92.2,109.5 92.2,106.3 93.185,105.315 U4.36@93.185,103.95
NetC8_1: C8.1 R3.2 | length 2.7
  Top Layer w1.3: C8.1@40.8,57.4 41.131,57.4 41.131,59.7 R3.2@41.2,59.7
NetC8_2: C8.2 L2.2 L3.1
NetC18_2: C18.2 F2.1 L6.1 | length 8.1
  Bottom Layer w1.3: F2.1@79.996,89.4 79.771,89.625 F2.1@79.771,89.7 79.771,90.625 79.996,90.85 80.921,90.85 81.521,91.45 C18.2@82.8,91.45 86.098,91.45 L6.1@86.2,91.552
NetC19_2: C19.2 D20.1 L6.2 R5.1 | length 12.4
  Bottom Layer w1: L6.2@89,91.552 89,91.337 89.5,90.837 90.363,90.837 92.05,89.15 92.05,89.1 92.2,88.95 96.464,88.95 96.864,88.55 96.95,88.55 96.95,88.5 D20.1@97.05,88.4 97.05,90.9 97.1,90.95 97.1,91 R5.1@97.3,91.2
NetC21_1: C21.1 F3.1 Q11.2 R17.1 | length 6.8
  Bottom Layer w0.3: Q11.2@69.578,63.841 69.578,63.991 69.3,64.269 R17.1@69.3,65.7 69.15,65.85 C21.1@69.15,67.8 71,67.8 F3.1@71.6,67.2
NetC21_2: C21.2 Q11.1 Q13.3 R17.2 | length 9.8
  Bottom Layer w0.2: C21.2@66.45,67.8 67,67.25 67,66.4 67.325,66.075 67.325,66.05 67.675,65.7 R17.2@67.7,65.7 ; R17.2@67.678,65.678 Q11.1@67.678,63.841 67.678,63.691 67.828,63.541 67.978,63.541 68.619,62.9 70.7,62.9 71.623,63.823 Q13.3@72.184,63.823
NetC22_1: C22.1 F4.1 Q16.2 R46.1 | length 10.5
  Bottom Layer w0.5: F4.1@77.6,51.3 78.1,50.8 C22.1@79.8,50.8 80.2,50.4 80.9,50.4 81.275,50.025 81.3,50.025 81.5,49.825 R46.1@81.5,49.8 81.5,49.775 82.6,48.675 82.6,46.6 81.05,45.05 Q16.2@81.05,44.9
NetC22_2: C22.2 Q16.1 Q17.3 R46.2 | length 10.3
  Bottom Layer w0.3: C22.2@79.8,48.1 79.8,47 79.15,46.35 79.15,44.75 79.9,44 82.75,44 83.5,44.75 Q17.3@83.5,44.9 ; C22.2@79.9,48.2 R46.2@81.5,48.2
NetC27_1: C27.1 R21.2 | length 2.3
  Top Layer w1.3: C27.1@61.1,75 R21.2@61.1,77.25
NetC27_2: C27.2 L7.2 L8.1 | length 9.4
  Top Layer w1.3: 51.7,72.3 C27.2@61.1,72.3
NetC38_1: C38.1 Q1.1 R19.1 R22.2 | length 6.7
  Bottom Layer w0.2: R22.2@59.209,88.975 R19.1@59.209,90.475 59.209,91.968 C38.1@59.443,92.202 59.443,92.252 60.043,92.852 60.093,92.852 60.575,93.334 Q1.1@60.575,95.1
NetC38_2: C38.2 L8.2 Q1.3 R19.2
  other v1: 55.5,87.4 56.9,87.4 45.6,87.5 50.4,87.9 45.7,88.9 54.4,89.3 55.2,90.3 56.6,90.3 54.5,91.4 56,91.4 56,92.9 56,94 55.975,95.1 56,96.2
NetC41_1: C41.1 Q3.4 U2.31 | length 21.8
  Top Layer w0.2: U2.31@13.125,87.8 13.6,87.8 13.92,87.8 14.074,87.954 v1(14.182,87.954) ; Q3.4@29.6,89.2 29.6,89.275 29.75,89.425 29.825,89.425 30.6,90.2 C41.1@31.3,90.2 31.3,89.502 31.1,89.302 v1(31.1,89.2)
  Bottom Layer w0.2: v1(14.182,87.954) 15.428,89.2 v1(31.1,89.2)
NetC42_1: C42.1 Q4.4 U2.29 | length 25.4
  Top Layer w0.2: U2.29@13.125,87 13.722,87 13.768,86.954 14.596,86.954 15.124,87.482 15.407,87.482 v1(15.484,87.559) ; v1(32.2,94.8) 32.845,94.8 Q4.4@32.995,94.65 32.995,96.095 C42.1@33,96.1
  Layer 4 w0.2: v1(15.484,87.559) 17.859,87.559 25.4,95.1 29.6,95.1 30.3,94.4 31.751,94.4 32.151,94.8 v1(32.2,94.8)
  Bottom Layer w0.2: v1@15.4,87.642 v1(15.484,87.559)
NetC58_1: C58.1 Q6.4 U2.26 | length 39.1
  Top Layer w0.2: U2.26@13.125,85.8 13.6,85.8 14.112,85.288 14.334,85.288 v1(14.411,85.211) ; Q6.4@29.205,62.75 29.205,62.802 29.355,62.952 29.602,62.952 30.551,63.9 30.551,64.126 30.9,64.475 C58.1@30.9,64.5 v1(30.9,65.4)
  Bottom Layer w0.2: v1(14.411,85.211) 14.334,85.288 14.112,85.288 13.6,85.8 13.276,85.8 12.525,85.049 12.525,84.551 12.876,84.2 13.213,84.2 13.216,84.202 13.384,84.202 20.8,76.786 20.8,69.934 22.334,68.4 29.351,68.4 30.9,66.851 v1(30.9,65.4)
NetC59_2: C59.2 R24.1 U2.1 | length 7.1
  Top Layer w0.2: U2.1@12.6,88.725 13.225,88.725 13.301,88.801
  Top Layer w0.5: 13.352,88.75 13.746,89.145 13.746,89.246 15.643,91.143 16.643,91.143 C59.2@16.8,91.3 R24.1@16.8,93.1
NetC61_1: C61.1 Q5.4 U2.24 | length 31.5
  Top Layer w0.2: U2.24@12.6,84.875 12.6,84.838 13.088,84.838 v1(13.125,84.8) ; v1(30.5,68.1) C61.1@31.4,68.1 31.45,68.15 Q5.4@33.095,68.15
  Bottom Layer w0.2: v1(13.125,84.8) 13.202,84.723 13.428,84.723 21.2,76.951 21.2,70.1 22.5,68.8 29.8,68.8 v1(30.5,68.1)
NetC69_1: C69.1 L9.1 Q3.1 Q3.2 Q3.3 Q4.5 Q4.6 Q4.7 Q4.8 U2.32 | length 14.3
  Top Layer w0.2: U2.32@13.125,88.2 13.579,88.2 15.379,90 17.836,90 18.1,89.736 C69.1@18.1,89.1 25.79,89.1 Q3.1@25.79,89.2
  other v1: 26.4,88.4 27.7,88.4 29,88.4 30.3,88.4
  other v2: 25.7,84.65 28.6,84.65 33.7,84.65 36.5,84.65 31.1,85.9 33.6,87.05 25.7,87.15 28.6,87.15 36.5,87.15 33.9,90.54 36,90.54 33.9,92.34 36,92.34
NetC69_2: C69.2 U2.30 | length 4.1
  Top Layer w0.2: U2.30@13.125,87.4 13.887,87.4 13.933,87.354 14.43,87.354 15.864,88.787 16.187,88.787 C69.2@16.5,89.1
NetC70_1: C70.1 L9.2 Q5.1 Q5.2 Q5.3 Q6.5 Q6.6 Q6.7 Q6.8 U2.23 | length 27
  Top Layer w0.2: U2.23@12.2,84.875 12.2,84.459 12.459,84.2 13.434,84.2 15.5,82.134 15.5,80.2 15.8,79.9 17.8,79.9 18.1,80.2 ; C70.1@18.1,81.1 18.1,80.2 ; v2(31.1,71.45) 29.325,73.225 25.075,73.225 18.1,80.2
  other v1: 32.405,68.95 33.705,68.95 35.005,68.95 36.305,68.95
  other v2: 26.2,65.06 28.3,65.06 26.2,66.86 28.3,66.86 25.7,70.2 28.6,70.2 33.7,70.2 36.5,70.2 33.6,72.6 28.6,72.7 36.5,72.7
NetC70_2: C70.2 U2.25 | length 5.9
  Top Layer w0.2: U2.25@13.125,85.4 13.375,85.4 13.375,85.399 13.9,84.874 13.9,84.3 16.125,82.075 16.125,81.45 16.475,81.1 C70.2@16.5,81.1
NetC71_1: C71.1 R33.2 U2.8 | length 8.1
  Top Layer w0.2: R33.2@4.2,93 C71.1@5.7,93 5.7,92.975 6.775,91.9 7.9,91.9 8.3,91.5 8.3,90.6 9.8,89.1 U2.8@9.8,88.725
NetC72_2: C72.2 U2.9 | length 3.7
  Top Layer w0.2: C72.2@7.1,90.9 7.45,90.55 7.584,90.55 9.275,88.859 U2.9@9.275,88.2
NetC75_2: C75.2 R36.2 U2.10 | length 4
  Top Layer w0.2: R36.2@7.1,89.4 C75.2@7.1,87.9 7.4,88.2 8.459,88.2 8.859,87.8 U2.10@9.275,87.8
NetC77_2: C77.2 R38.2 U2.16 | length 4
  Top Layer w0.2: R38.2@7.025,83.25 C77.2@7.025,84.75 8.375,84.75 9.025,85.4 U2.16@9.275,85.4
NetC78_2: C78.2 R37.2 U2.17 | length 8.3
  Top Layer w0.2: R37.2@4.025,80.85 C78.2@5.525,80.85 5.525,81.65 6.081,82.206 7.33,82.206 8.256,83.132 8.256,83.756 9.375,84.875 U2.17@9.8,84.875
NetC79_2: C79.2 R37.1 | length 1.4
  Top Layer w0.2: C79.2@4.025,77.85 R37.1@4.025,79.25
NetC80_2: C80.2 R38.1 | length 1.4
  Top Layer w0.2: C80.2@4.025,83.25 R38.1@5.425,83.25
NetC84_2: C84.2 F1.2 L11.2
NetC87_1: C87.1 R40.2 | length 1.8
  Top Layer w1.3: R40.2@69.2,4.95 C87.1@69.2,6.8
NetC87_2: C87.2 L10.2 L11.1 | length 9.9
  Top Layer w1.3: L10.2@71.825,16.7 71.9,16.625 C87.2@71.9,6.8
NetC88_1: C88.1 Q7.1 R39.1 R42.2 | length 8.4
  Bottom Layer w0.2: Q7.1@93.3,25.7 93.583,25.7 94.183,25.1 94.183,24.817 96.167,22.833 97.067,22.833 97.3,22.6 R39.1@98.8,22.6 R42.2@100.3,22.6
NetC90_2: C90.2 Q9.1 R53.2 TP11.1 | length 7.7
  Top Layer w0.2: Q9.1@93.2,44.4 93.2,44.55 93.05,44.7 C90.2@91.5,44.7 R53.2@91.5,48 92.6,48 TP11.1@93.6,49
NetC91_2: C91.2 C93.2 D15.1 L14.2
NetC99_1: C99.1 R65.2 | length 3
  Bottom Layer w1.3: C99.1@85.4,67.2 R65.2@88.4,67.2
NetC99_2: C99.2 L13.1 L13.4 | length 12.4
  Top Layer w0.5: L13.1@85.664,72.571 85.664,72.858 L13.1@86.655,73.848
  Top Layer w2.5: L13.4@85.664,61.821 L13.1@85.664,72.571
  other v1: 84.1,66.4 84.1,67.2 84.1,68
NetC100_2: C100.2 C101.2 C102.2 C103.2 C104.2 L13.2 L14.3 R64.2 U4.27 | length 22.4
  Top Layer w0.2: L14.3@82.644,86.296 82.644,88.844 83.7,89.9 90.524,89.9 92.4,91.776 92.4,92.524 92.375,92.549 92.375,95.475 92.825,95.925 92.825,95.95 93.175,96.3 R64.2@93.2,96.3 93.2,97.5 92.035,98.665 U4.27@92.035,99.8
NetC109_2: C109.2 R69.2 | length 1.4
  Top Layer w0.2: C109.2@97.896,93.2 R69.2@99.304,93.2
NetC110_2: C110.2 R69.1 U4.30 | length 13.5
  Top Layer w0.2: U4.30@93.185,100.95 93.185,100.515 v1(93.8,99.9) ; v1(100.5,94.8) 100.5,94.751 100.9,94.351 C110.2@100.9,91.591
  Layer 1 w0.2: v1(93.8,99.9) 95.4,99.9 v1(100.5,94.8)
NetC111_1: C111.1 U4.32 | length 9.1
  Top Layer w0.2: U4.32@93.185,101.95 93.95,101.95 95.575,103.575 95.575,109.008 95.55,109.033 95.55,109.15 C111.1@95.2,109.5
NetC118_1: C118.1 FB1.1 Q12.2 | length 4.9
  Top Layer w0.3: v4(83.1,36.8) FB1.1@84.6,36.8 C118.1@84.6,35
  Bottom Layer w0.5: v4(83.1,36.8) 84.05,36.8 84.3,36.55 84.45,36.55 Q12.2@84.45,36.4
NetC119_1: C119.1 FB1.2 U7.2 | length 3.3
  Top Layer w0.5: U7.2@85.05,38.5 C119.1@86.6,38.5 FB1.2@86.6,36.8
NetC123_1: C123.1 F5.1 Q18.2 R50.1 | length 10.1
  Bottom Layer w0.3: Q18.2@69.6,27.05 69.5,27.05 69.4,27.15 69.4,27.75 67.65,29.5 C123.1@67.65,30.8 67.9,31.05 R50.1@67.9,32.7 67.925,32.7 68.225,33 68.225,33.35 69.475,34.6 F5.1@70.4,34.6